# Altium PCB Placa Pot mosfet planar V3.PcbDoc (part 1 of 2)
Units mm, origin at the board's own origin, x right, y up, seen from the top; angles counter-clockwise.
Board outline 160 x 100 mm, 4 copper layers (TopLayer, GND, Power, BottomLayer), stack 1.582 mm thick; 144 components, 68 nets, 657 pads, 79 vias.
Unrouted connection lines stored in the file: 1.
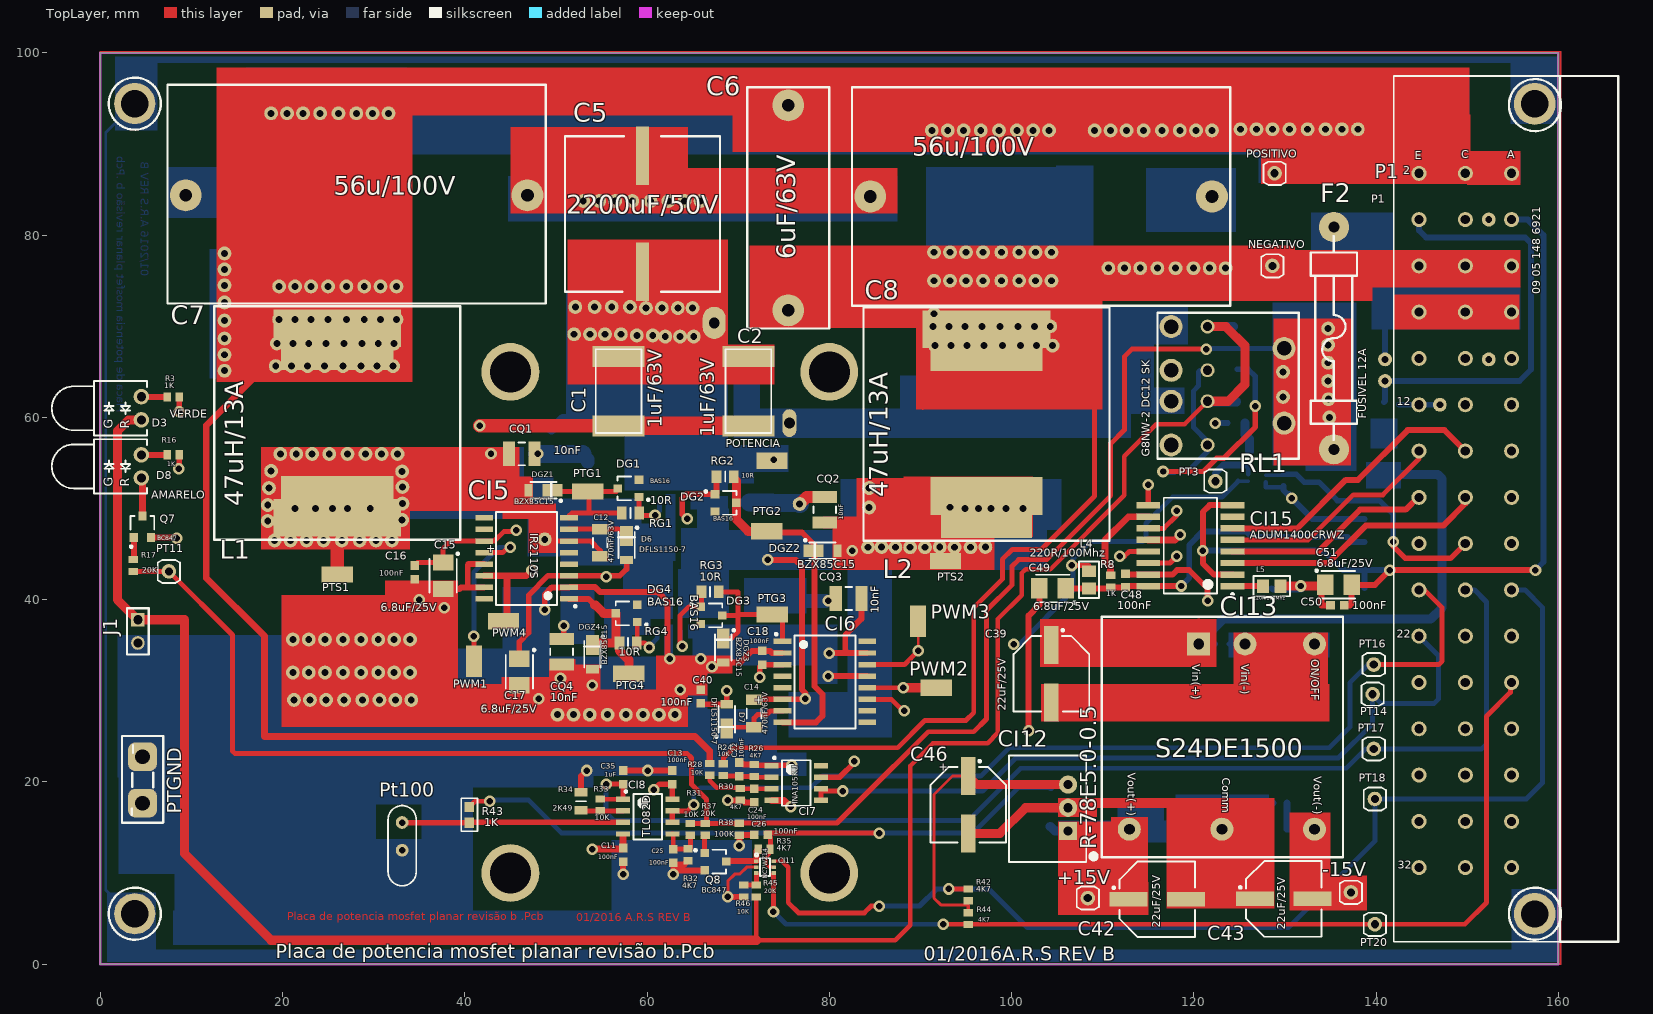
[diagram p0: TopLayer view]
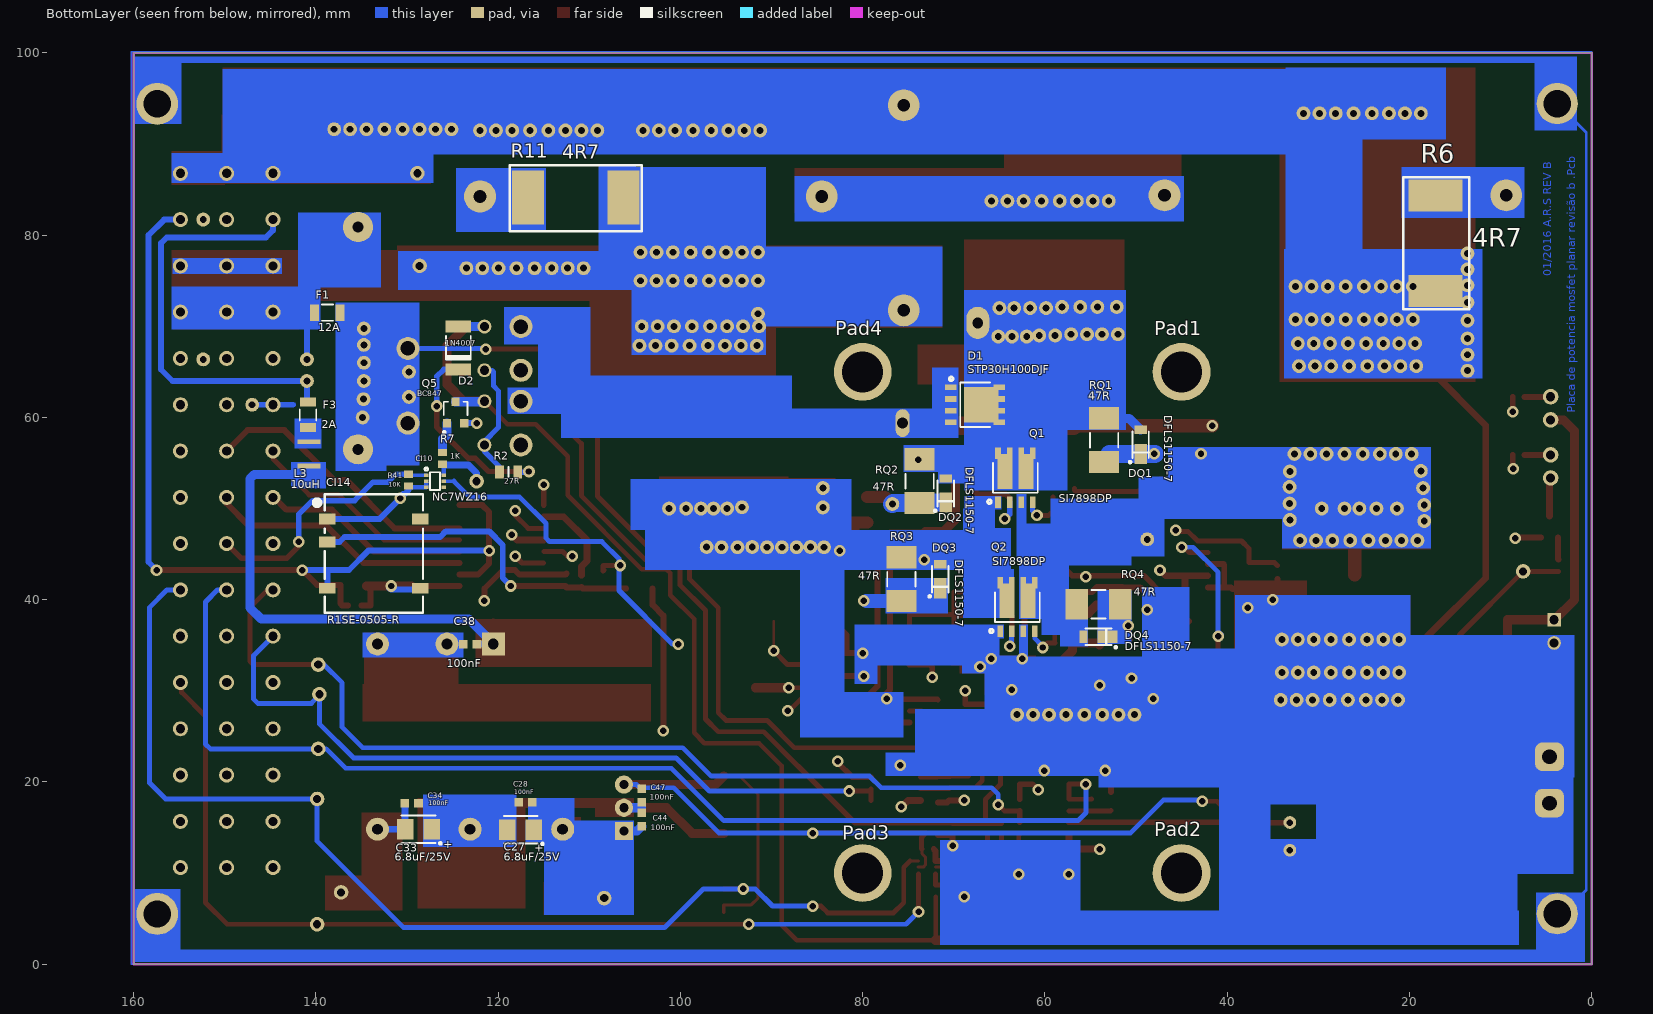
[diagram p1: BottomLayer view, seen from below]
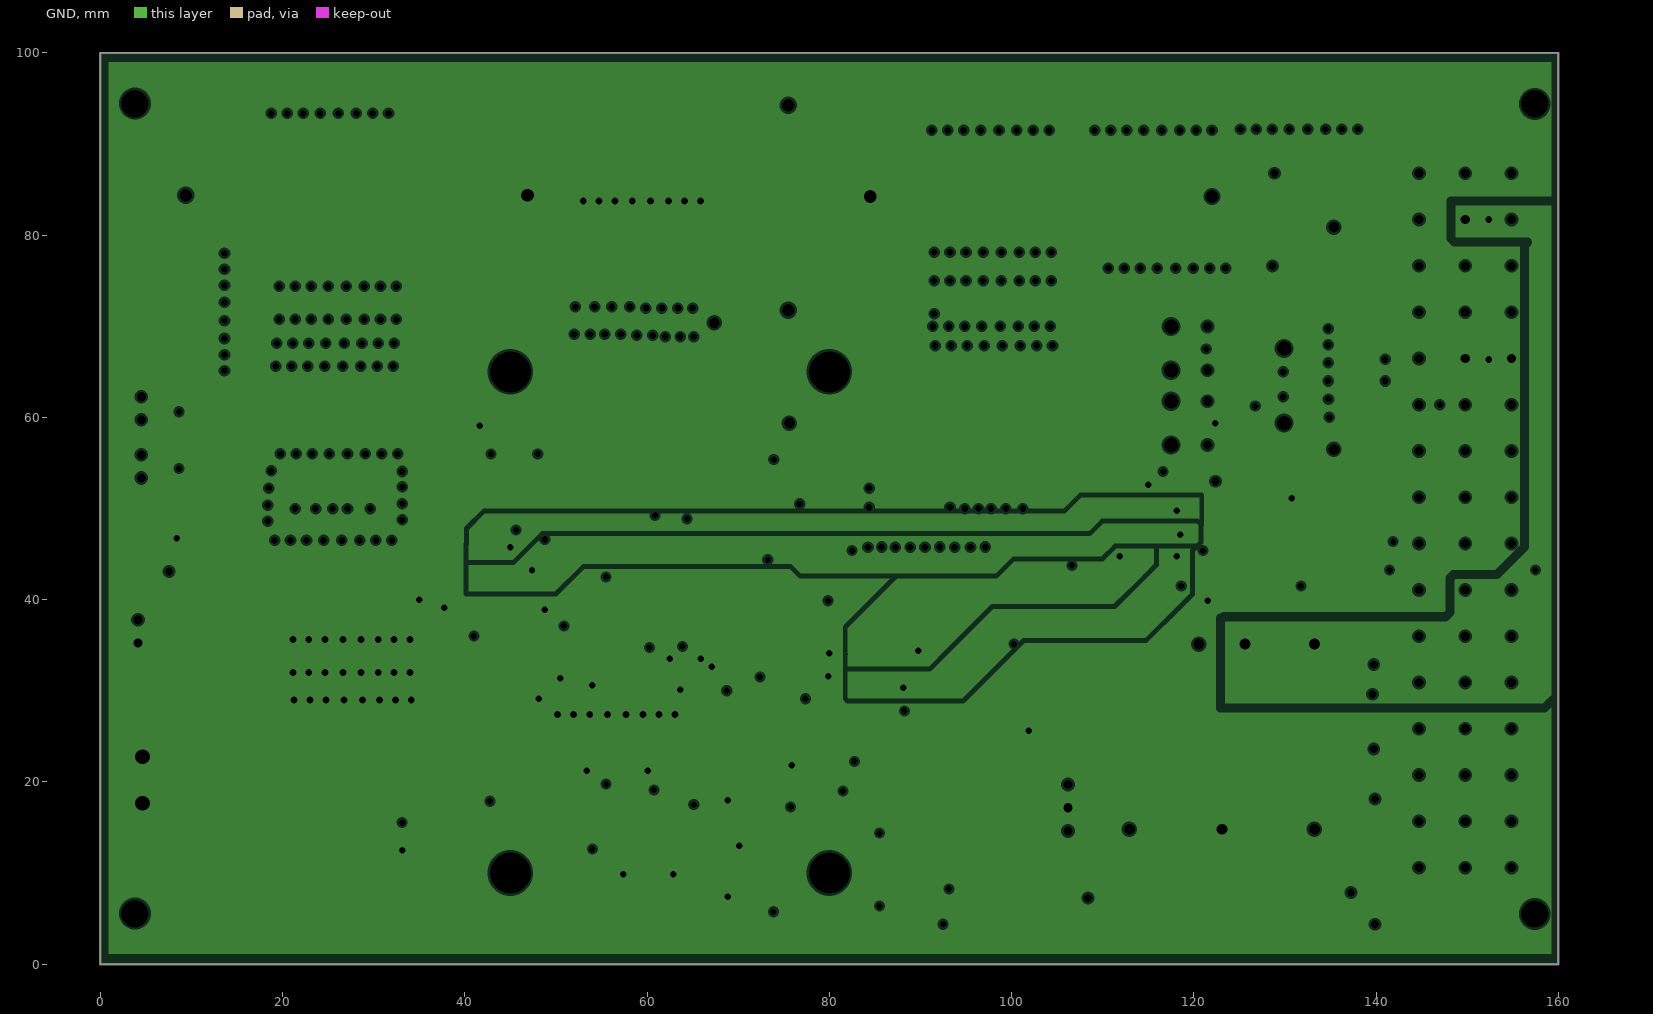
[diagram p2: GND, clearances drawn from the general rule]
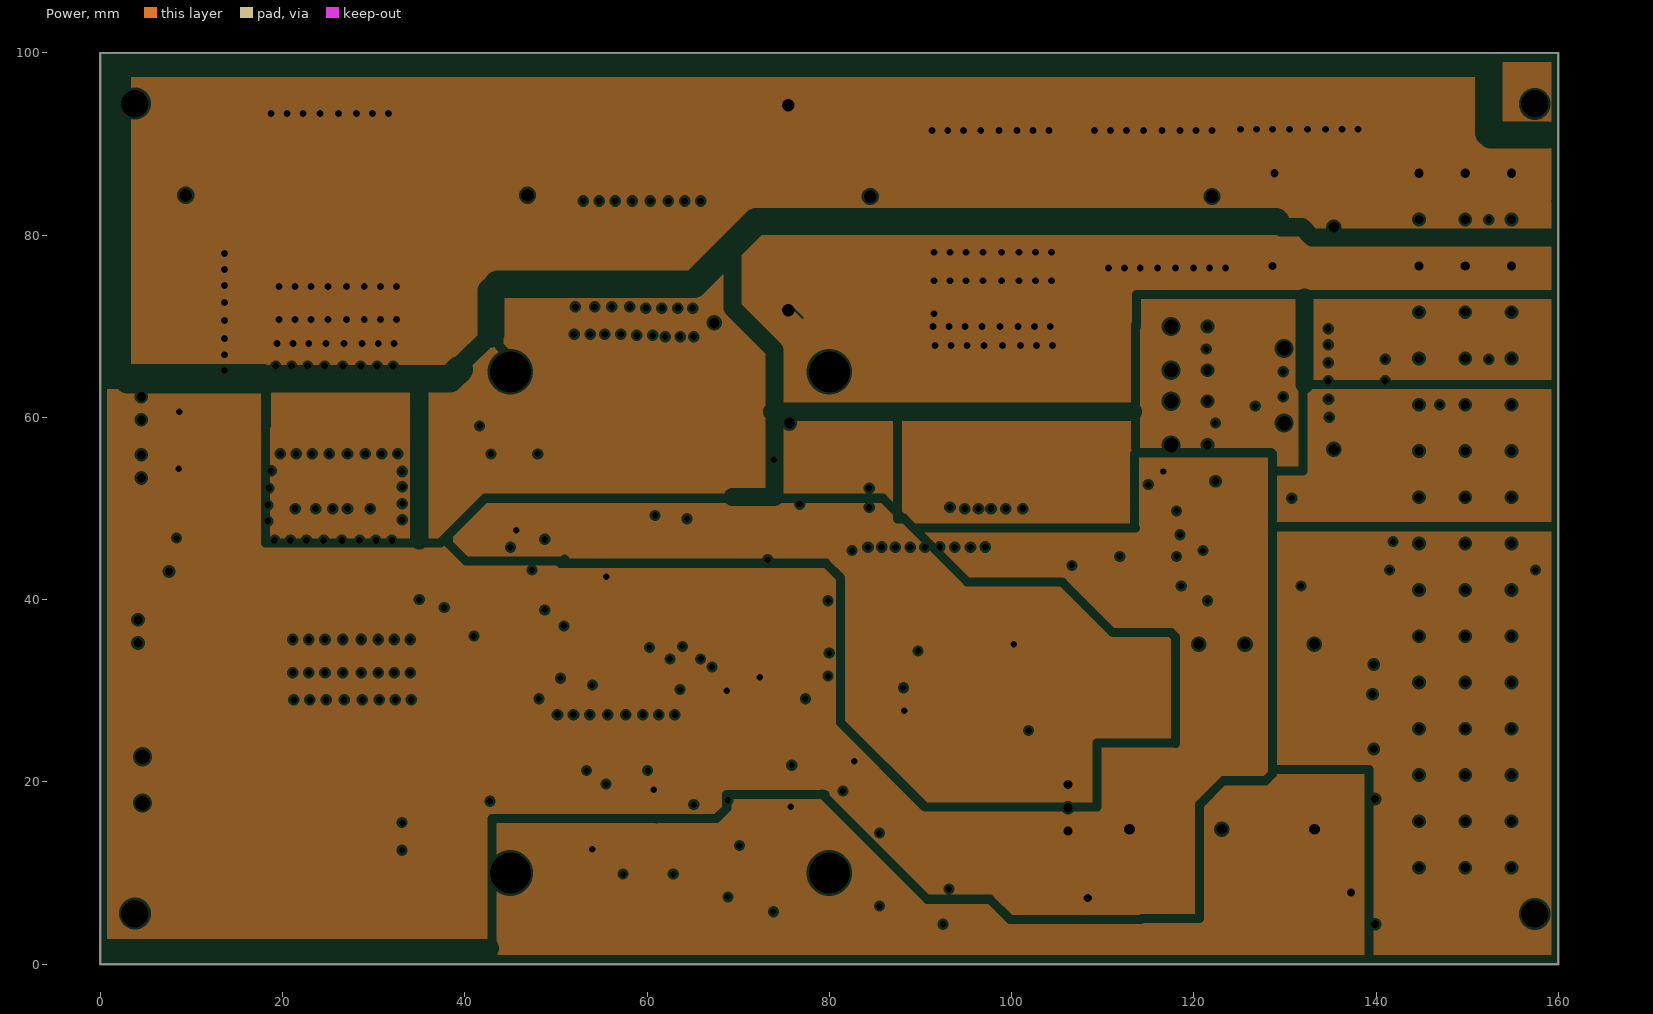
[diagram p3: Power, clearances drawn from the general rule]
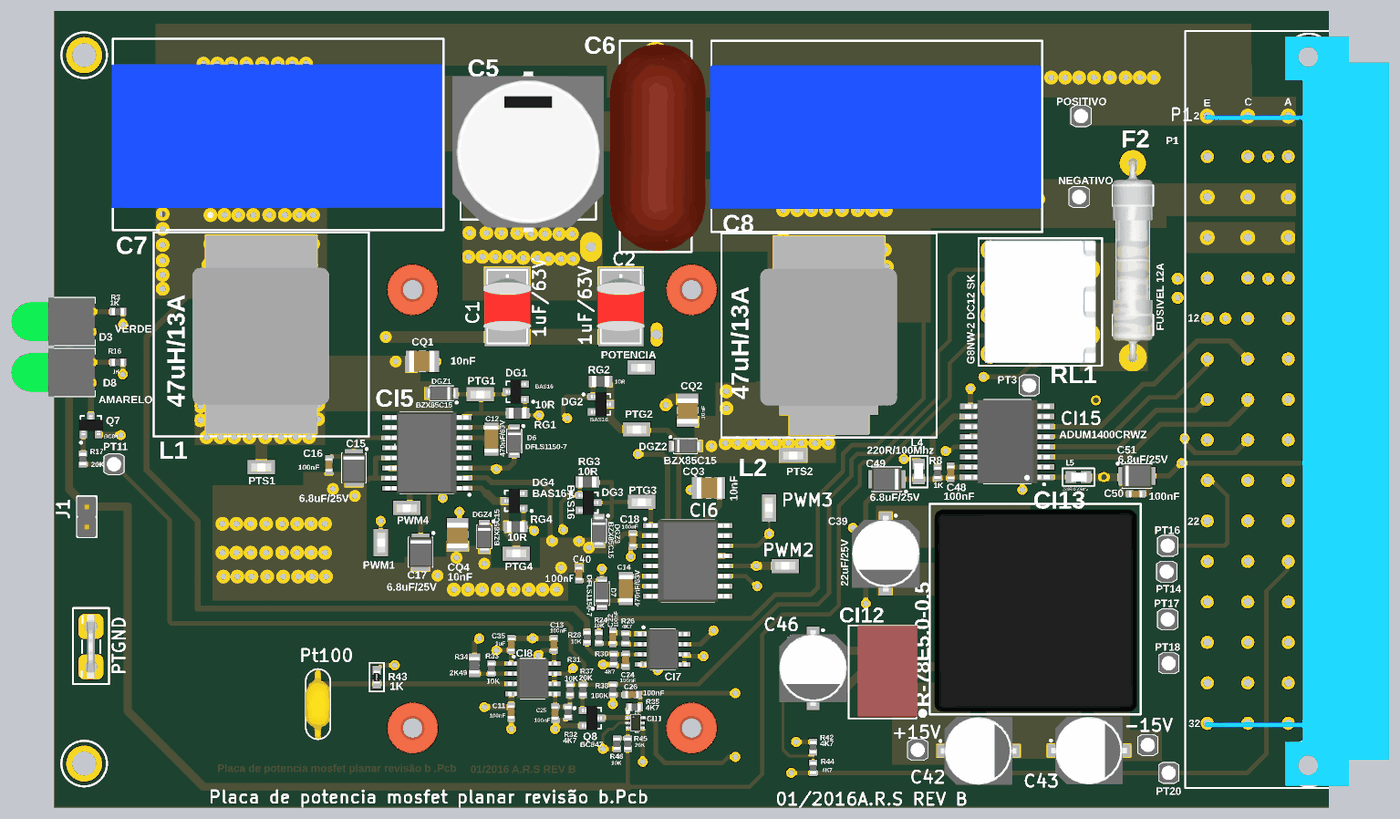
[diagram p5: 3D render of the assembled board from above, using the file's embedded part models]
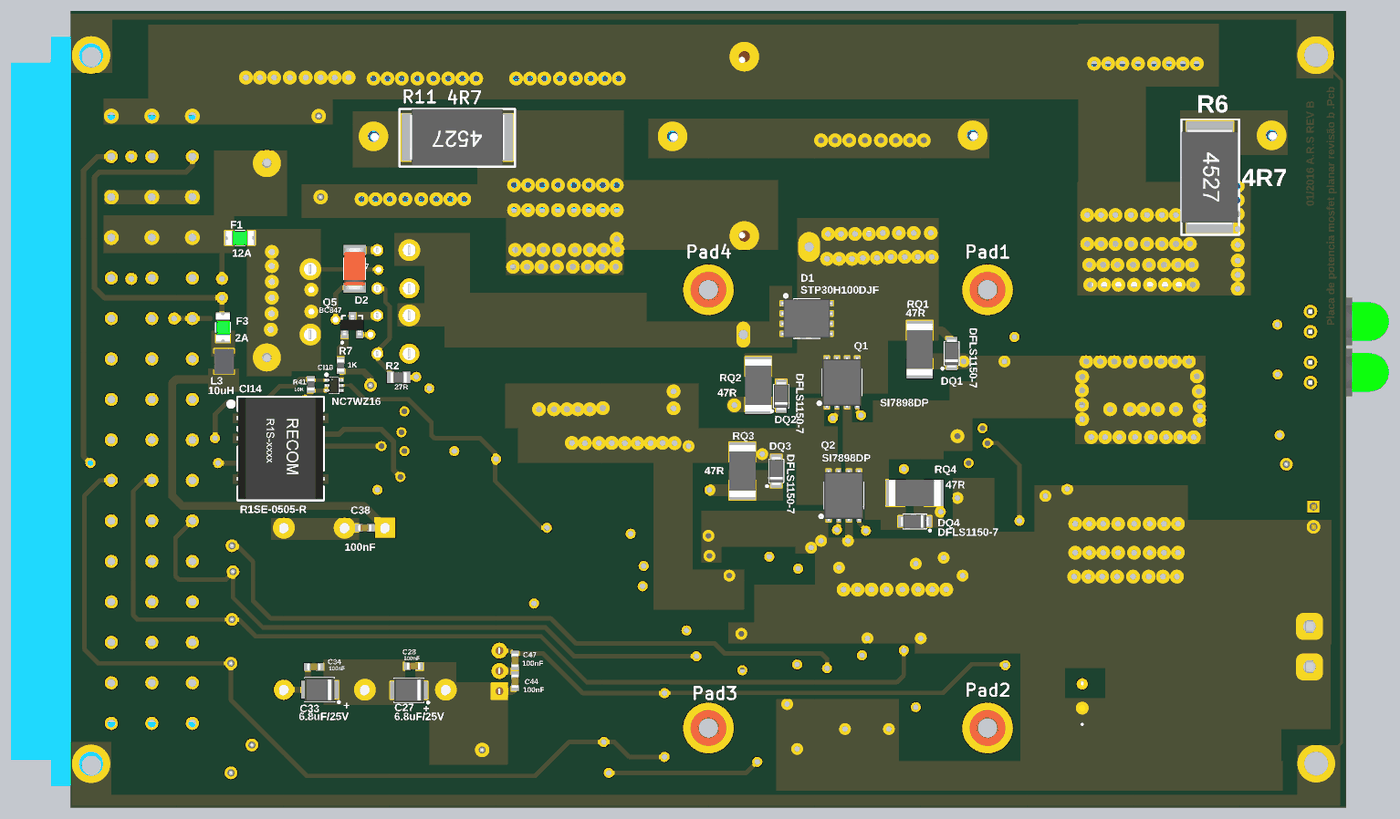
[diagram p6: 3D render of the assembled board from below, using the file's embedded part models]

## Layer stack, top to bottom
TopLayer: signal copper 0.0356
Dielectric: prepreg 0.8, FR-4, Dk 4.8
GND: plane copper 0.0356, net (Multiple Nets)
Dielectric: core 0.32, FR-4, Dk 4.8
Power: plane copper 0.0356, net (Multiple Nets)
Dielectric: prepreg 0.32, FR-4, Dk 4.8
BottomLayer: signal copper 0.0356

## Board outline
0,0 0,100 160,100 160,0

## Design rules (kind name [scope] priority, off if disabled: settings)
AssemblyTestPointUsage AssemblyTestPointUsage_1 [All] p2:
AssemblyTestpoint AssemblyTestpoint_1 [All] p2: testpointundercomponent=TRUE minsize=1.016 maxsize=2.54 preferedsize=1.524 minholesize=0 maxholesize=1.016 preferedholesize=0.813 testpointgrid=0.025 usegrid=TRUE gridtolerance=0 allowsidetop=TRUE allowsidebottom=TRUE
Clearance [All] p1: gap=0.5
ComponentClearance ComponentClearance_1 [All] p2: gap=0.254 collisioncheckmode=3 verticalgap=0.254 showdistances=FALSE
DiffPairsRouting DiffPairsRouting_3 [InNet('NetCI6_12')] p1: maxlimit=0.254 minlimit=0.254 mostfreqgap=0.254 maxuncoupledlength=12.7
DiffPairsRouting DiffPairsRouting_2 [InNet('NetCI6_14')] p2: maxlimit=0.254 minlimit=0.254 mostfreqgap=0.254 maxuncoupledlength=12.7
DiffPairsRouting [InNet('NetCI5_14')] p3: maxlimit=0.254 minlimit=0.254 mostfreqgap=0.254 maxuncoupledlength=12.7
DiffPairsRouting DiffPairsRouting_1 [InNet('NetCI5_12')] p4: maxlimit=0.254 minlimit=0.254 mostfreqgap=0.254 maxuncoupledlength=12.7
FabricationTestPointUsage TestPointUsage [All] p2: valid=0 allowmultiple=FALSE
FabricationTestpoint Testpoint [All] p2: side=3 testpointundercomponent=TRUE minsize=1.016 maxsize=2.54 preferedsize=1.524 minholesize=0.508 maxholesize=1.016 preferedholesize=0.813 testpointgrid=0.025 allowsidetop=TRUE allowsidebottom=TRUE usegrid=TRUE gridtolerance=0
FanoutControl Fanout_LCC [IsLCC] p1: bgadir=Out bgaviamode=Centered fanoutstyle=Auto fanoutdirection=Alternating viagrid=0.025 // Fanout_LCC (Default Rule)
FanoutControl Fanout_BGA [IsBGA] p2: bgadir=Out bgaviamode=Centered fanoutstyle=Auto fanoutdirection=Alternating viagrid=0.025 // Fanout_BGA (Default Rule)
FanoutControl Fanout_Small [(CompPinCount < 5)] p3: bgadir=Out bgaviamode=Centered fanoutstyle=Auto fanoutdirection=OutThenIn viagrid=0.025 // Fanout_Small (Default Rule)
FanoutControl Fanout_SOIC [IsSOIC] p4: bgadir=Out bgaviamode=Centered fanoutstyle=Auto fanoutdirection=Alternating viagrid=0.025 // Fanout_SOIC (Default Rule)
FanoutControl Fanout_BGA_1 [IsBGA] p6: bgadir=Out bgaviamode=Centered fanoutstyle=Auto fanoutdirection=Alternating viagrid=0.025 // Fanout_BGA (Default Rule)
FanoutControl Fanout_LCC_1 [IsLCC] p7: bgadir=Out bgaviamode=Centered fanoutstyle=Auto fanoutdirection=Alternating viagrid=0.025 // Fanout_LCC (Default Rule)
FanoutControl Fanout_SOIC_1 [IsSOIC] p8: bgadir=Out bgaviamode=Centered fanoutstyle=Auto fanoutdirection=Alternating viagrid=0.025 // Fanout_SOIC (Default Rule)
FanoutControl Fanout_Small_1 [(CompPinCount < 5)] p9: bgadir=Out bgaviamode=Centered fanoutstyle=Auto fanoutdirection=OutThenIn viagrid=0.025 // Fanout_Small (Default Rule)
FanoutControl Fanout_Default_1 [All] p10: bgadir=Out bgaviamode=Centered fanoutstyle=Auto fanoutdirection=Alternating viagrid=0.025 // Fanout_Default (Default Rule)
Height Height_1 [All] p2: minheight=0 maxheight=25.4 prefheight=12.7
HoleSize HoleSize_1 [All] p2: absolutevalues=TRUE maxlimit=2.54 minlimit=0.025 maxpercent=80.000 minpercent=20.000
HoleToHoleClearance HoleToHoleClearance_1 [All] p2: gap=0.254 allowstackedmicrovias=TRUE
LayerPairs LayerPairs_1 [All] p2: enforce=TRUE
MinimumSolderMaskSliver MinimumSolderMaskSliver_1 [All] p2: minsoldermaskwidth=0.254
NetAntennae NetAntennae_1 [All] p2: netantennaetolerance=0
PasteMaskExpansion PasteMaskExpansion_1 [All] p2: expansion=0
PlaneClearance [All] p1: clearance=0.508
PlaneClearance PlaneClearance_1 [All] p2: clearance=0.254
PlaneConnect [All] p1: planeconnectstyle=Relief reliefexpansion=0.508 reliefentries=4 reliefconductorwidth=0.254 reliefairgap=0.254
PolygonConnect [All] p1: connectstyle=Relief reliefconductorwidth=0.254 reliefentries=4 polygonreliefangle="90 Angle" airgapwidth=0.254
PolygonConnect PolygonConnect_1 [All] p2: connectstyle=Relief reliefconductorwidth=0.254 reliefentries=4 polygonreliefangle="90 Angle" airgapwidth=0.254
RoomDefinition "Placa de Potencia mosfet planar revisao b" [InComponentClass('Placa de Potencia mosfet planar revisao b')] p1: confinementstyle=ConfineIn formatcopy=TRUE lockcomponents=FALSE outline 126.5,102.5 126.226,102.493 -4.875,102.493 -4.875,100.463 -1.312,100.375 126.5,100.375
RoutingPriority RoutingPriority_1 [All] p2: routingpriority=0
RoutingTopology RoutingTopology_1 [All] p2: topology=Shortest
RoutingVias [All] p1: holewidth=0.6 width=1 viastyle="Through Hole" minholewidth=0.711 minwidth=1.27 maxholewidth=0.711 maxwidth=1.27
SMDNeckDown [All] p1: percent=50.000
ShortCircuit [All] p1: allowed=TRUE
ShortCircuit ShortCircuit_1 [All] p2: allowed=TRUE
SilkToSilkClearance SilkToSilkClearance_1 [All] p2: silktosilkclearance=0.254
SilkToSolderMaskClearance SilkscreenOverComponentPads [IsPad] p1: minsilkscreentomaskgap=0.254 clearancetoexposedcopper=TRUE
SilkToSolderMaskClearance SilkscreenOverComponentPads_1 [IsPad] p2: minsilkscreentomaskgap=0.254 clearancetoexposedcopper=TRUE
SolderMaskExpansion [All] p1: expansion=0.102
SolderMaskExpansion SolderMaskExpansion_1 [All] p2: expansion=0.051
UnRoutedNet UnRoutedNet_1 [All] p2:
Width "Net geral" [InNetClass('Net Geral')] p1: maxlimit=0.54 minlimit=0.5 preferedwidth=0.54
Width Width_2 [InNetClass('GND')] p2: maxlimit=1 minlimit=0.54 preferedwidth=1
Width Width_1 [InNetClass('Power')] p3: maxlimit=1 minlimit=0.754 preferedwidth=1
Width PWM [InNetClass('PWM')] p4: maxlimit=1 minlimit=0.75 preferedwidth=1 minimp=50.000000 maximp=50.000000 favimp=50.000000
19 further rules are at their usual default settings.

## Components (designator, comment, footprint, x,y, rotation, side; value= is the part's Value field where it differs from the comment)
+15V "" COMATEL_332.0600.1.16.541 108.375,7.25 r90 top
-15V "" COMATEL_332.0600.1.16.541 137.25,7.875 r90 top
C1 "1uF/63V" "Capacito 2824 (7260)" 56.875,62.875 r270 top
C2 "1uF/63V" "Capacito 2824 (7260)" 71.125,62.875 r270 top
C5 "2200uF/50V" "CAPACITOR ELETROLITICO 18" 59.5,76 r0 top
C6 "6uF/63V" "Capacitor B32523" 75.5,71.75 r90 top
C7 "56u/100V" "Capacitor B32526" 46.875,84.375 r180 top locked
C8 "56u/100V" "Capacitor B32526" 122,84.25 r180 top locked
C11 "100nF" CAPC1608X90N 57.375,12 r270 top
C12 "470nF/63V" CAPC3216X100N 54.875,46.25 r270 top
C13 "100nF" CAPC1608X90N 62.75,20.5 r270 top
C14 "470nF/63V" CAPC3216X100N 71.75,27.5 r270 top
C15 "6.8uF/25V" CAPMP3528X210N 37.625,42.625 r270 top
C16 "100nF" CAPC1608X90N 34.5,43 r270 top
C17 "6.8uF/25V" CAPMP3528X210N 46,32.075 r270 top (schematic designator C15)
C18 "100nF" CAPC1608X90N 72.625,33.625 r90 top
C22 "100nF" CAPC1608X90N 70.125,21.375 r270 top
C24 "100nF" CAPC1608X90N 71.75,18.5 r270 top
C25 "100nF" CAPC1608X90N 62.875,11.875 r270 top
C26 "100nF" CAPC1608X90N 72.5,14.184 r180 top
C27 "6.8uF/25V" CAPMP3528X210N 117.55,14.75 r0 bottom
C28 "100nF" CAPC1608X90N 117,17.75 r0 bottom
C33 "6.8uF/25V" CAPMP3528X210N 128.75,14.805 r0 bottom
C34 "100nF" CAPC1608X90N 129.5,17.67 r0 bottom
C35 "1uF" CAPC1608X90N 57.375,20.5 r90 top (schematic designator C13)
C38 "100nF" CAPC1608X90N 123.085,35.125 r0 bottom
C39 "22uF/25V" CAPAE830X620N 104.375,31.875 r270 top
C40 "100nF" CAPC1608X90N 65.875,29.375 r90 top
C42 "22uF/25V" CAPAE830X620N 116,7.125 r0 top
C43 "22uF/25V" CAPAE830X620N 129.875,7.165 r0 top
C44 "100nF" CAPC1608X90N 104.25,15.875 r90 bottom
C46 "22uF/25V" CAPAE830X620N 95.25,17.5 r270 top
C47 "100nF" CAPC1608X90N 104.25,18.5 r270 bottom
C48 "100nF" CAPC1608X90N 112.5,42.105 r90 top
C49 "6.8uF/25V" CAPMP3528X210N 104.5,41.225 r180 top
C50 "100nF" CAPC1608X90N 135.75,39.375 r0 top
C51 "6.8uF/25V" CAPMP3528X210N 135.875,41.63 r0 top
CI5 "IR2110S" SOIC127P1031X264-16N 46.775,44.53 r180 top
CI6 "IR2110S" SOIC127P1031X264-16N 79.525,30.97 r0 top
CI7 "INA105KU" SOIC127P600X175-8N 76.375,19.875 r0 top
CI8 "TL082D" SOIC127P600X175-8N 60.075,16.189 r0 top
CI10 "NC7WZ16" SC70-6 127.9,53.65 r180 bottom
CI11 "NC7WZ14" SC70-6 72,11.3 r0 top
CI12 "R-78E5.0-0.5" SIP3 106.206,14.625 r0 top
CI13 "S24DE1500" S24DE15001NDFA 120.545,35.125 r270 top locked (schematic designator IC?)
CI14 "R1SE-0505-R" "R1SE Series" 133.65,45.06 r180 bottom
CI15 "ADUM1400CRWZ" SOIC16_Wb 119.625,45.925 r180 top
CQ1 "10nF" CAPC3225X200N 46.25,56 r0 top
CQ2 "10nF" CAPC3225X200N 79.5,49.875 r90 top
CQ3 "10nF" CAPC3225X200N 82.125,40.125 r180 top
CQ4 "10nF" CAPC3225X200N 50.625,34.275 r90 top
D1 "STP30H100DJF" VISHAY_POWERPAK-SO-8-SINGLE 67.67,61.385 r180 bottom
D2 "1N4007" DIOMELF5025N 124.375,67.625 r90 bottom
D3 "VERDE" LED_DIALIGHT_550-3005F 4.5,61 r0 top
D6 "DFLS1150-7" SOD-123FL 57.75,46 r270 top (schematic designator DGZ1)
D7 "DFLS1150-7" SOD-123FL 68.75,26.875 r90 top (schematic designator DGZ1)
D8 "AMARELO" LED_DIALIGHT_550-3005F 4.5,54.625 r0 top
DG1 "BAS16" SOT-23 57.95,52.2 r90 top
DG2 "BAS16" SOT-23 68.625,50.625 r270 top
DG3 "BAS16" SOT-23 67.075,38.275 r270 top
DG4 "BAS16" SOT-23 57.75,38.5 r90 top
DGZ1 "BZX85C15" SOD-123FL 48.625,52 r180 top
DGZ2 "BZX85C15" SOD-123FL 79.25,45.375 r0 top
DGZ3 "BZX85C15" SOD-123FL 68.375,34.75 r270 top
DGZ4 "BZX85C15" SOD-123FL 54,34.015 r270 top
DQ1 "DFLS1150-7" SOD-123FL 49.5,57 r90 bottom
DQ2 "DFLS1150-7" SOD-123FL 70.875,51.65 r90 bottom
DQ3 "DFLS1150-7" SOD-123FL 71.5,42.25 r90 bottom
DQ4 "DFLS1150-7" SOD-123FL 54.125,35.925 r0 bottom
F1 "12A" FUSR_LITTELFUSE_1206L012 138.75,71.5 r0 bottom
F2 "FUSIVEL 12A" "FUSIVEL 5X20 PF-B6" 135.375,56.5 r0 top
F3 "2A" FUSR_LITTELFUSE_1206L012 140.875,60.275 r270 bottom
J1 "Header 2" JUMP 4.125,37.79 r0 top
L1 "47uH/13A" IHLP-6767GZ#1 26,51.5 r90 top
L2 "47uH/13A" IHLP-6767GZ#2 97.25,51.375 r90 top
L3 "10uH" L1210R 140.75,57.335 r270 bottom
L4 "220R/100Mhz" "0805 ferrit" 108.5,41.225 r90 top
L5 "220R/100Mhz" "0805 ferrit" 127.6,41.48 r0 top
NEGATIVO "" COMATEL_332.0600.1.16.541 128.625,76.631 r270 top
P1 "09 05 148 6921" "conector din eurocard 48" 152.75,52.815 r90 top locked
Pad1 "CABO COM CLIP" PAD 45,65 r180 bottom
Pad2 "CABO COM CLIP" PAD 45,10 r180 bottom
Pad3 "CABO COM CLIP" PAD 80,10 r180 bottom
Pad4 "CABO COM CLIP" PAD 80,65 r180 bottom (schematic designator Pad2)
POSITIVO "" COMATEL_332.0600.1.16.541 128.875,86.791 r270 top
POTENCIA "" "Teste pont" 73.703,55.25 r0 top
PT3 "" COMATEL_332.0600.1.16.541 122.375,53 r270 top
PT11 "" COMATEL_332.0600.1.16.541 7.525,43.1 r270 top
PT14 "" COMATEL_332.0600.1.16.541 139.625,29.625 r270 top
PT16 "" COMATEL_332.0600.1.16.541 139.75,32.875 r270 top
PT17 "" COMATEL_332.0600.1.16.541 139.75,23.625 r270 top
PT18 "" COMATEL_332.0600.1.16.541 139.875,18.125 r270 top
PT20 "" COMATEL_332.0600.1.16.541 139.875,4.375 r270 top
Pt100 "100R" FUSR_BOURNS_MF-R_STYLE4 33.125,13 r270 top locked
PTG1 "" "Teste pont" 53.5,51.875 r0 top
PTG2 "" "Teste pont" 73.125,47.5 r0 top
PTG3 "" "Teste pont" 73.75,38.375 r0 top
PTG4 "" "Teste pont" 58,31.875 r180 top